# KiCad board klor1_3.kicad_pcb
title: Klor Split Keyboard; date: 2022-07-08; rev: v1.3.0; note: Author: GEIST
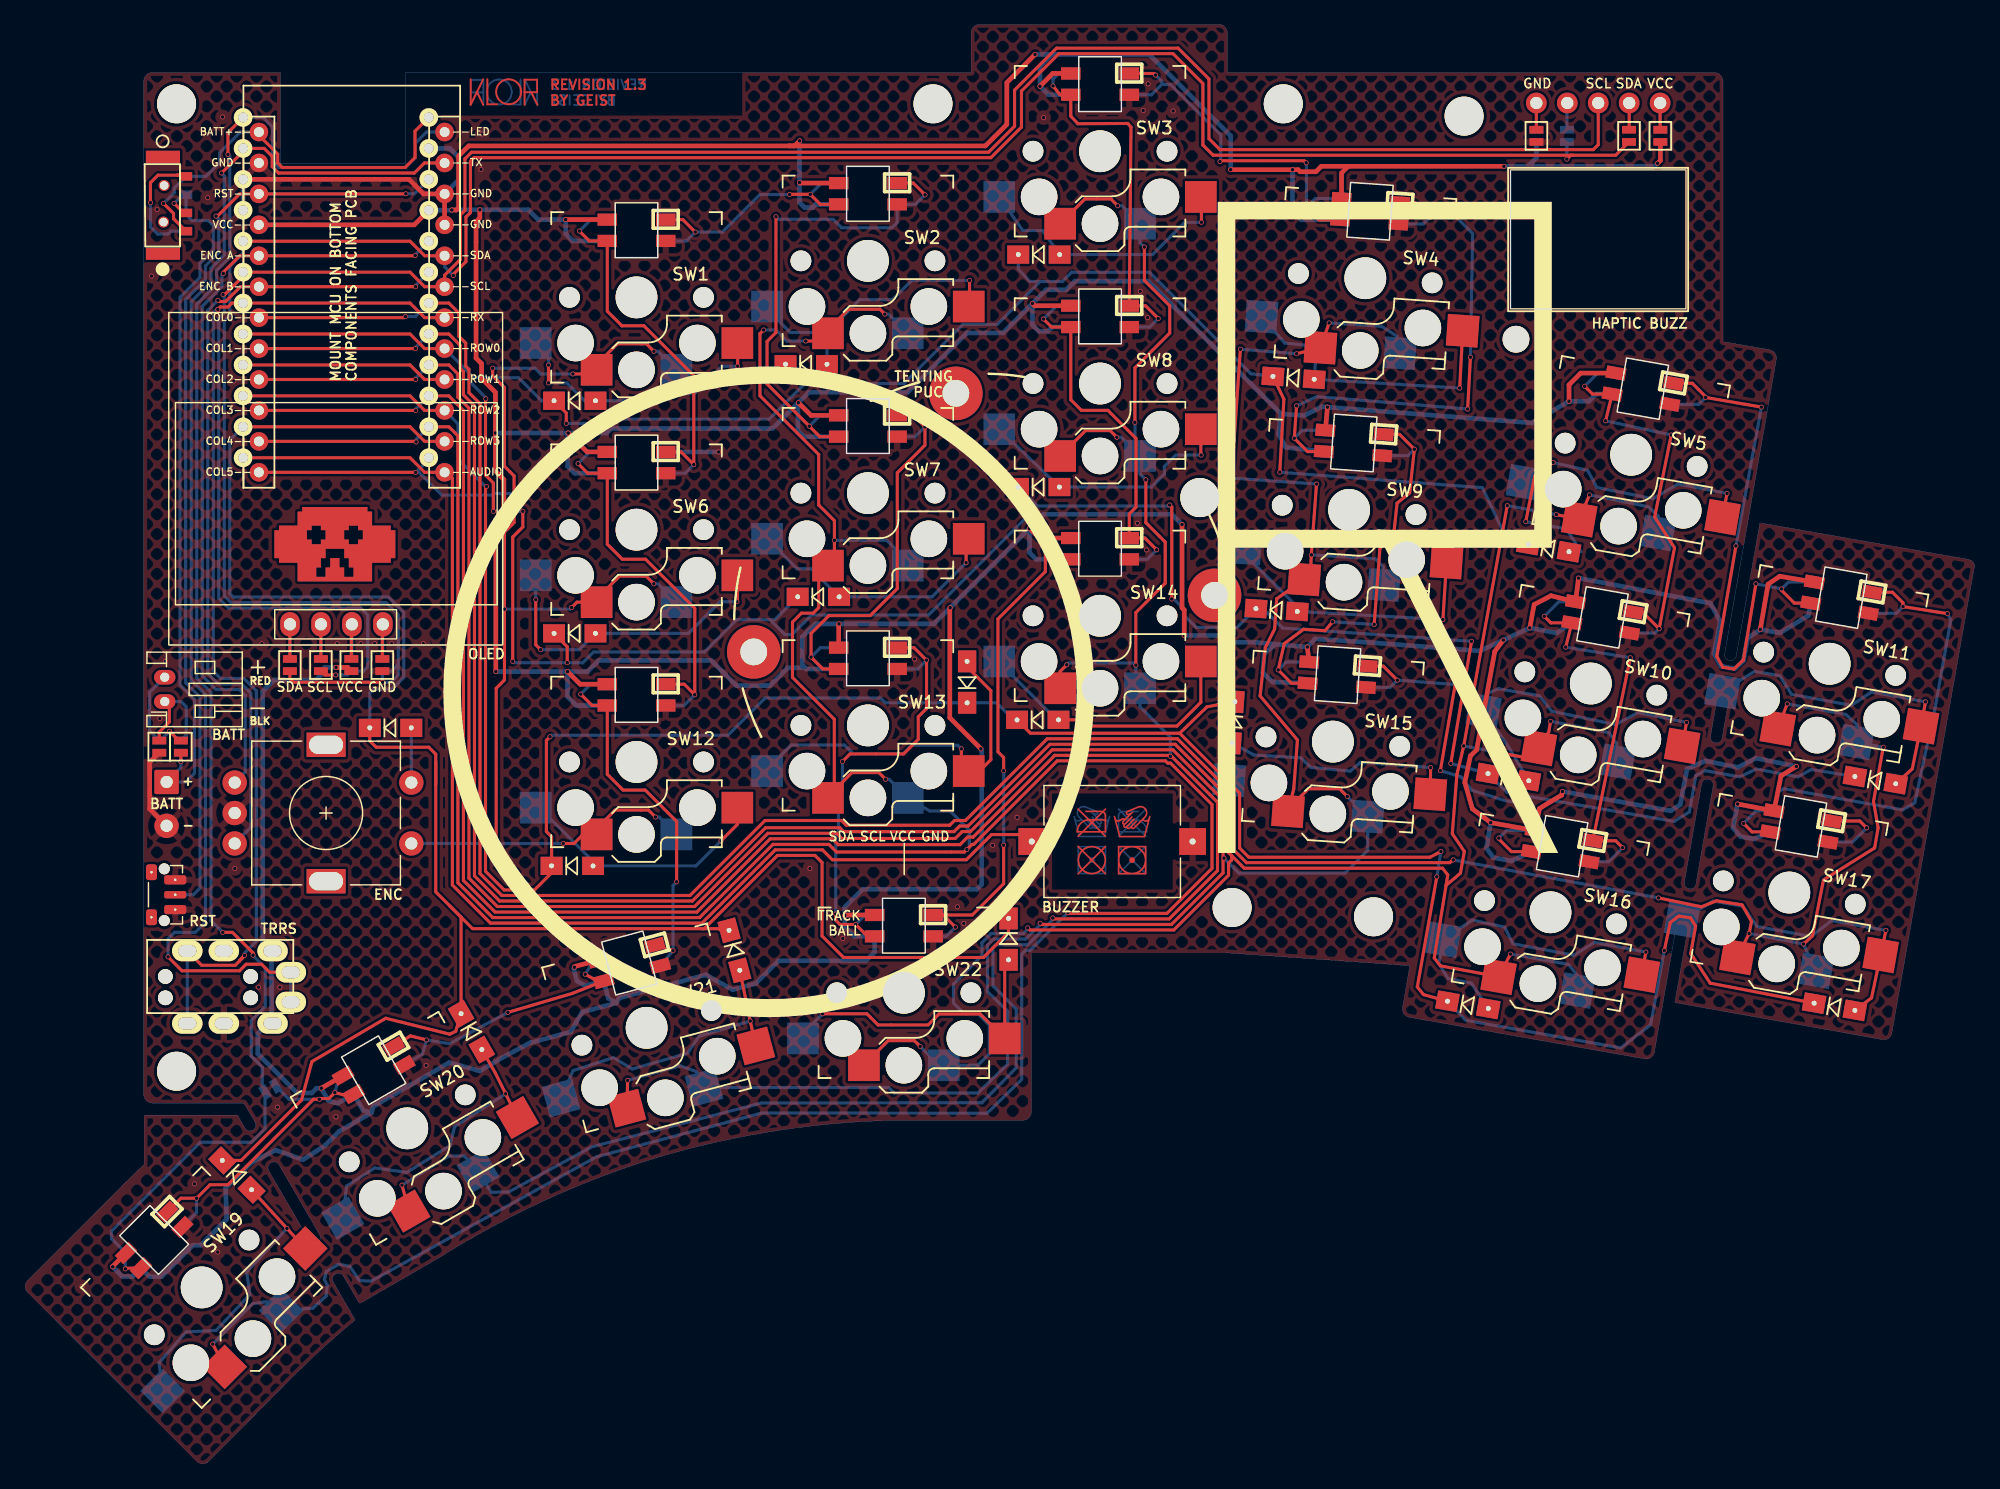
[diagram p0: board, top side]
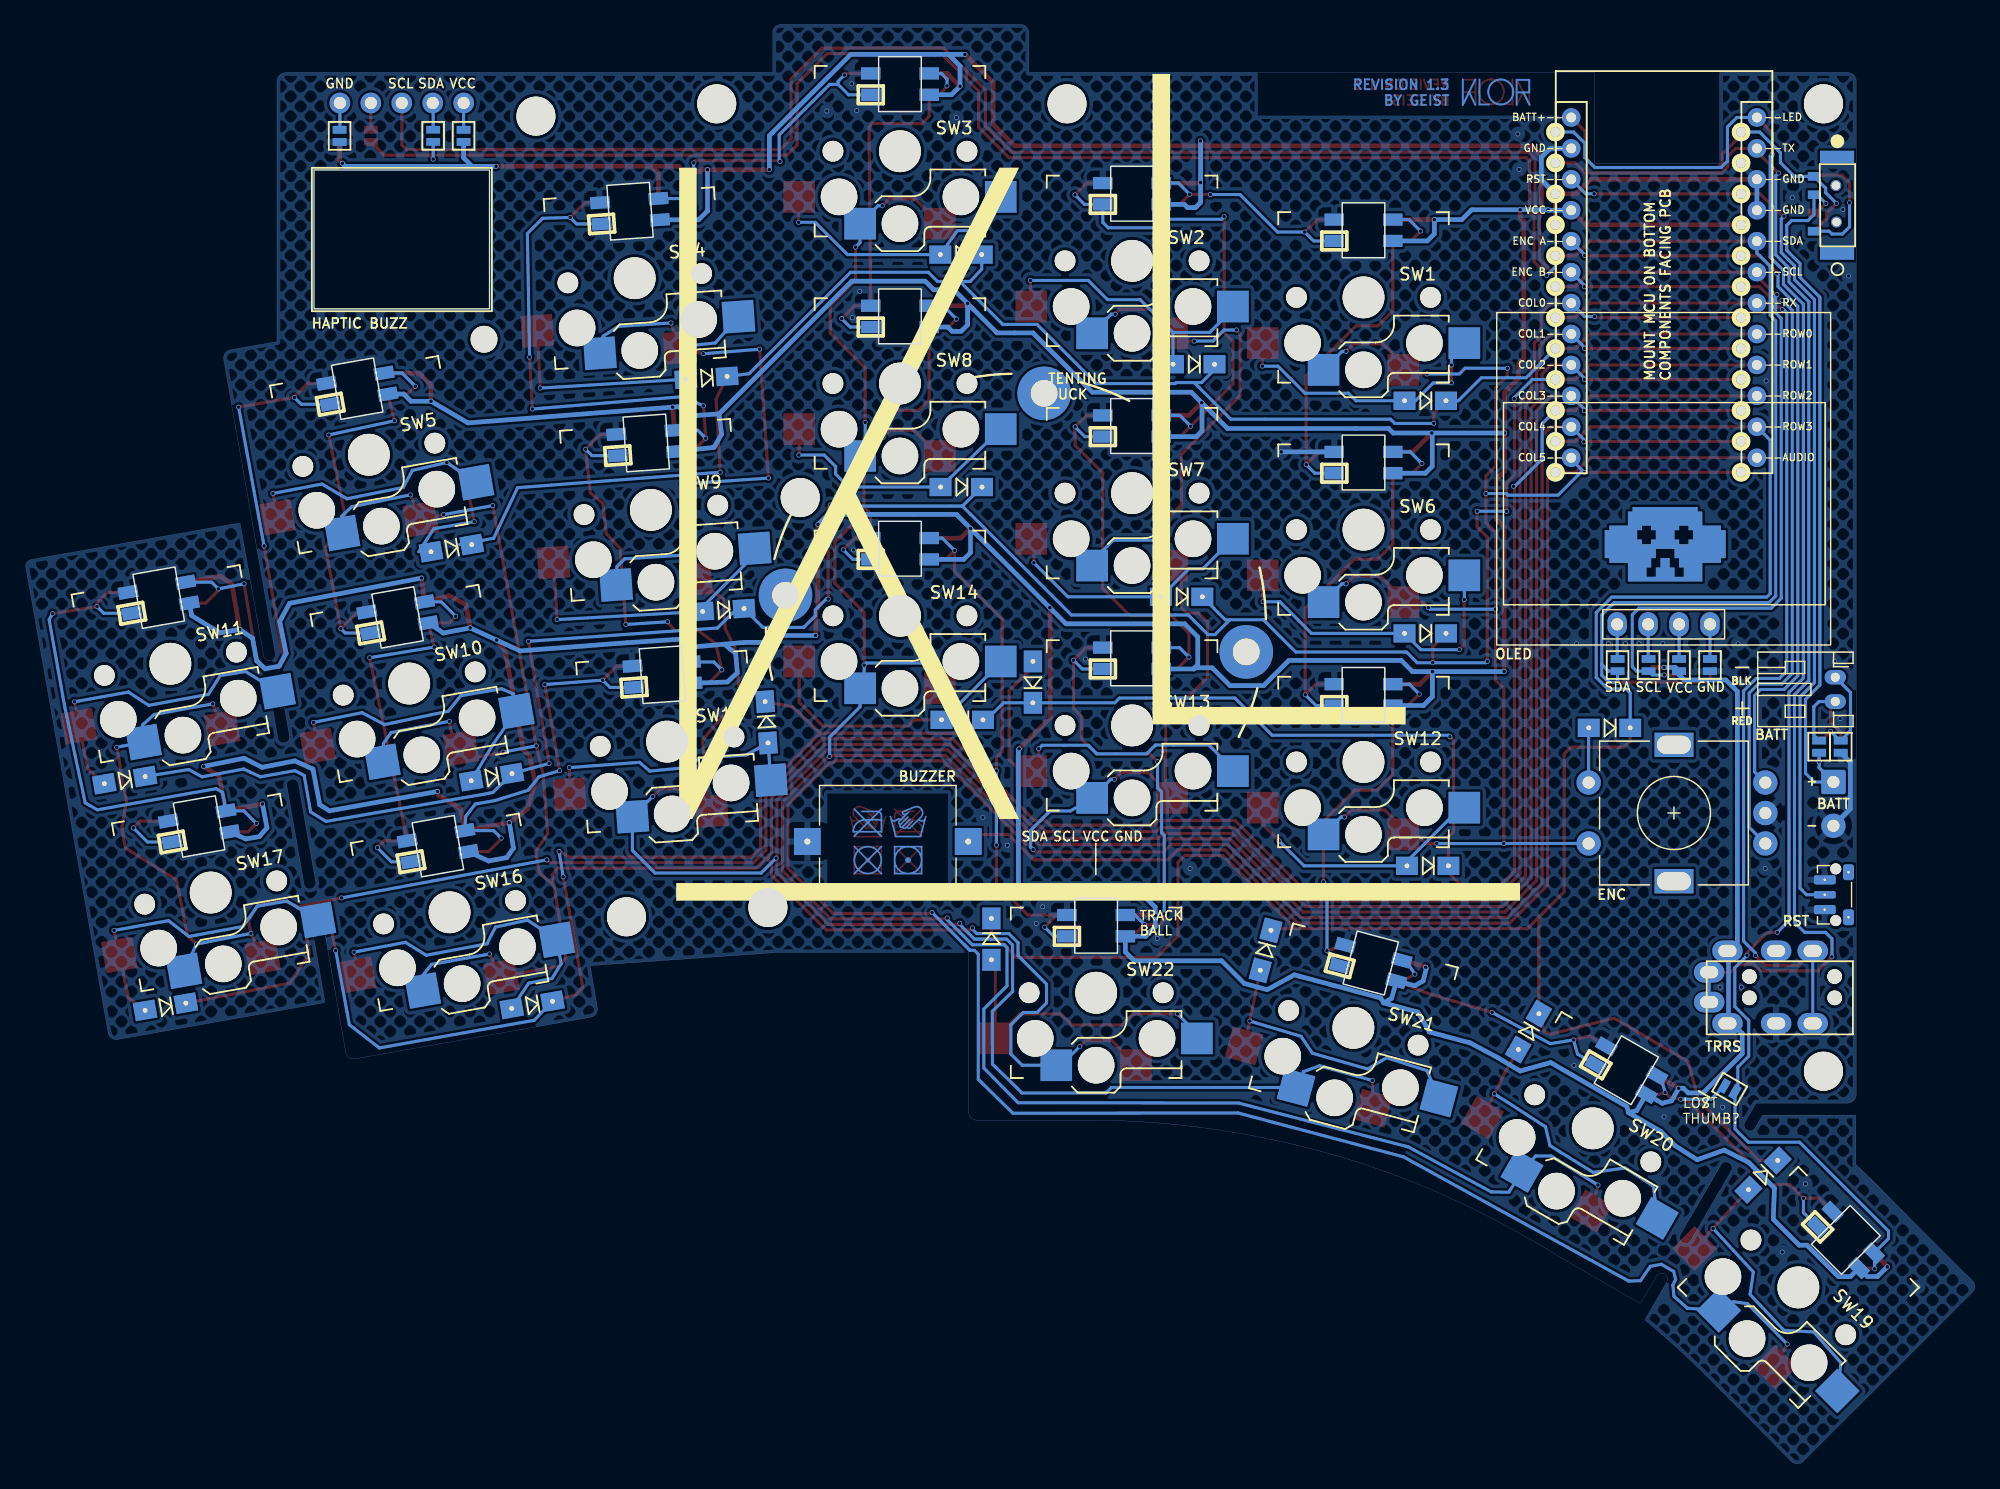
[diagram p1: board, bottom side, seen from below]

Outline 160.15 x 118.26 mm; copper layers: Top, Bottom. Coordinates in mm from the lower left corner of the outline.
Outline path: 121.97,106.3 136.37,106.3 136.37,94.9 121.97,94.9 closed ; 0.28,14.14 14.14,0.28 ; 7.16,22 0.28,15.13 ; 9.8,113.6 9.8,30.39 ; 9.84,24.65 9.84,28.7 17.49,28.7 18.09,27.64 ; 10.51,29.69 18.02,29.69 18.93,28.14 ; 10.54,114.31 21.01,114.31 21.01,106.83 31.27,106.83 31.27,114.31 77.71,114.31 77.71,117.59 ; 15.13,0.28 21.97,7.16 ; 20.91,24.61 24.22,18.9 ; 23.38,18.41 20.06,24.12 ; 27.15,11.88 25.35,14.98 ; 27.57,13.26 34.34,17.17 ; 72.14,28.28 81.94,28.28 ; 82.65,28.98 82.65,42.03 98.62,42.03 113.71,40.97 113.11,37.48 ; 98.05,118.26 78.38,118.26 ; 98.72,117.59 98.72,114.31 138.67,114.31 ; 113.64,36.74 133,33.32 ; 133.77,33.85 135.53,43.97 ; 152.49,34.91 135.46,37.94 136.49,43.79 ; 136.24,47.85 137.65,55.89 ; 138.39,59.83 138.88,62.69 ; 138.6,55.71 137.19,47.67 ; 139.41,113.57 139.41,92.2 143.26,91.53 ; 139.55,66.6 143.19,87.34 143.78,90.76 ; 139.84,62.51 139.34,59.66 ; 140.51,66.43 142.45,77.32 159.55,74.33 ; 153.27,35.47 160,73.55
Stack: Top 0.035mm / dielectric 1.51mm FR4 er 4.5 / Bottom 0.035mm

## Placement (name value [footprint] x y rotation side)
BT1  JST Connector  [JST_PH_reversible]  11.52 62.65 90 top
BT2  Battery_Cell  [custombatteryconnector_small]  11.67 54.25 270 top
BZ1  Buzzer  [Buzzer_Mallory_AST1109MLTRQ_reversible]  89.28 51.16 0 top
D1  D_Small  [Diode_SOD123]  45.17 87.35 0 top
D2  D_Small  [Diode_SOD123]  64.17 90.35 0 top
D3  D_Small  [Diode_SOD123]  83.27 99.35 0 top
D4  D_Small  [Diode_SOD123]  104.17 89.23 356 top
D5  D_Small  [Diode_SOD123]  125.1 75.25 350 top
D6  D_Small  [Diode_SOD123]  45.17 68.25 0 top
D7  D_Small  [Diode_SOD123]  65.17 71.26 0 top
D8  D_Small  [Diode_SOD123]  83.25 80.27 0 top
D9  D_Small  [Diode_SOD123]  102.78 70.17 356 top
D10  D_Small  [Diode_SOD123]  121.8 56.45 350 top
D11  D_Small  [Diode_SOD123]  151.91 56.2 350 top
D12  D_Small  [Diode_SOD123]  44.97 49.16 0 top
D13  D_Small  [Diode_SOD123]  77.37 64.25 90 top
D14  D_Small  [Diode_SOD123]  83.17 61.15 0 top
D15  D_Small  [Diode_SOD123]  99.23 60.95 266 top
D16  D_Small  [Diode_SOD123]  118.47 37.75 350 top
D17  D_Small  [Diode_SOD123]  148.56 37.59 350 top
D18  D_Small  [Diode_SOD123]  30.05 60.49 0 top
D19  D_Small  [Diode_SOD123]  17.44 23.78 315 top
D20  D_Small  [Diode_SOD123]  36.69 35.55 300 top
D21  D_Small  [Diode_SOD123]  58.27 42.23 285 top
D22  D_Small  [Diode_SOD123]  80.78 43.15 270 top
J1  -  [MJ-4PP-9]  10.07 40.08 90 top
J2  Haptic Buzz  [Pimoroni Haptic Buzz DRV2605L Driver]  129.17 101.4 0 bottom
JP1  Device_Jumper_NO_Small  [Jumper]  29.38 65.65 270 top
JP2  Device_Jumper_NO_Small  [Jumper]  26.83 65.65 270 top
JP3  Device_Jumper_NO_Small  [Jumper]  24.34 65.65 270 top
JP4  Device_Jumper_NO_Small  [Jumper]  21.79 65.65 270 top
JP5  Device_Jumper_NO_Small  [Jumper]  29.38 65.65 270 bottom
JP6  Device_Jumper_NO_Small  [Jumper]  26.84 65.65 270 bottom
JP7  Device_Jumper_NO_Small  [Jumper]  24.34 65.65 270 bottom
JP8  Device_Jumper_NO_Small  [Jumper]  21.8 65.65 270 bottom
JP12  VCC Jumper  [Jumper]  124.1 109.1 90 bottom
JP13  GND Jumper  [Jumper]  124.1 109.1 90 top
JP14  VCC Jumper  [Jumper]  134.27 109.1 90 top
JP15  GND Jumper  [Jumper]  134.27 109.1 90 bottom
JP22  Device_Jumper_NO_Small  [Jumper]  11.07 58.95 270 top
JP23  Device_Jumper_NO_Small  [Jumper]  12.85 58.95 270 bottom
JP24  Device_Jumper_NO_Small  [Jumper]  12.85 58.95 270 top
JP25  Device_Jumper_NO_Small  [Jumper]  11.07 58.95 270 bottom
JP26  Device_Jumper_NO_Small  [Jumper]  20.19 30.84 210 bottom
JP27  Device_Jumper_NO_Small  [Jumper]  126.6 109.1 90 bottom
JP28  Device_Jumper_NO_Small  [Jumper]  131.7 109.1 90 top
MH1  -  [MountingHole_3.2mm_M3]  12.49 111.73 0 top
MH2  -  [MountingHole_3.2mm_M3]  74.57 111.73 0 top
MH3  -  [MountingHole_3.2mm_M3]  103.32 111.73 0 top
MH4  -  [MountingHole_3.2mm_M3]  118.16 110.72 0 top
MH5  -  [MountingHole_3.2mm_M3]  96.47 79.4 0 top
MH6  -  [MountingHole_3.2mm_M3]  12.49 32.3 0 top
MH7  -  [MountingHole_3.2mm_M3]  99.12 45.74 0 top
MH8  -  [MountingHole_3.2mm_M3]  110.73 44.98 0 top
MH9  -  [MountingHole_2.2mm_M2]  122.42 92.4 0 top
OLED1  SSD1306  [SSD1306_128x64OLED]  25.8 79.6 180 top
PSW1  SW_DPDT_x2  [MSK12C02_reversible]  10.07 107.28 0 top
REF**  Tenting Puck  [SplitkbTentingPuckWithoutCenterHole]  78.77 69.05 277 top
RSW1  SW_Push  [SW_Push_1P1T-MP_NO_Horizontal_Alps_SKRTLAE010_both_sides]  11.48 46.79 270 top
SW1  SW_PUSH-MX_W_LED  [Kailh_socket_PG1350_reversible_with_sk6812_mini]  50.24 95.85 180 top
SW2  SW_PUSH-MX_W_LED  [Kailh_socket_PG1350_reversible_with_sk6812_mini]  69.23 98.85 180 top
SW3  SW_PUSH-MX_W_LED  [Kailh_socket_PG1350_reversible_with_sk6812_mini]  88.28 107.85 180 top
SW4  SW_PUSH-MX_W_LED  [Kailh_socket_PG1350_reversible_with_sk6812_mini]  110.05 97.43 176 top
SW5  SW_PUSH-MX_W_LED  [Kailh_socket_PG1350_reversible_with_sk6812_mini]  131.88 82.93 170 top
SW6  SW_PUSH-MX_W_LED  [Kailh_socket_PG1350_reversible_with_sk6812_mini]  50.24 76.78 180 top
SW7  SW_PUSH-MX_W_LED  [Kailh_socket_PG1350_reversible_with_sk6812_mini]  69.23 79.78 180 top
SW8  SW_PUSH-MX_W_LED  [Kailh_socket_PG1350_reversible_with_sk6812_mini]  88.28 88.78 180 top
SW9  SW_PUSH-MX_W_LED  [Kailh_socket_PG1350_reversible_with_sk6812_mini]  108.72 78.4 176 top
SW10  SW_PUSH-MX_W_LED  [Kailh_socket_PG1350_reversible_with_sk6812_mini]  128.56 64.15 170 top
SW11  SW_PUSH-MX_W_LED  [Kailh_socket_PG1350_reversible_with_sk6812_mini]  148.17 65.77 170 top
SW12  SW_PUSH-MX_W_LED  [Kailh_socket_PG1350_reversible_with_sk6812_mini]  50.24 57.71 180 top
SW13  SW_PUSH-MX_W_LED  [Kailh_socket_PG1350_reversible_with_sk6812_mini]  69.23 60.71 180 top
SW14  SW_PUSH-MX_W_LED  [Kailh_socket_PG1350_reversible_with_sk6812_mini]  88.28 69.71 180 top
SW15  SW_PUSH-MX_W_LED  [Kailh_socket_PG1350_reversible_with_sk6812_mini]  107.39 59.37 176 top
SW16  SW_PUSH-MX_W_LED  [Kailh_socket_PG1350_reversible_with_sk6812_mini]  125.25 45.36 170 top
SW17  SW_PUSH-MX_W_LED  [Kailh_socket_PG1350_reversible_with_sk6812_mini]  144.85 46.98 170 top
SW18  RotaryEncoder_Switch  [RotaryEncoder_Alps_EC11E-Switch_Vertical_H20mm-keebio_modified]  24.76 53.5 0 top
SW19  SW_PUSH-MX_W_LED  [Kailh_socket_PG1350_reversible_with_sk6812_mini]  14.54 14.56 225 top
SW20  SW_PUSH-MX_W_LED  [Kailh_socket_PG1350_reversible_with_sk6812_mini]  31.42 27.62 210 top
SW21  SW_PUSH-MX_W_LED  [Kailh_socket_PG1350_reversible_with_sk6812_mini]  51.07 35.87 195 top
SW22  SW_PUSH-MX_W_LED  [Kailh_socket_PG1350_reversible_with_sk6812_mini]  72.18 38.76 180 top
U1  -  [ProMicro]  26.77 95.84 0 top

## Library data of the parts
REF** = -: Field4: tenting; Field5: puck

## Footprints (pads in the part's own frame, mm; a bottom-side part is the same pattern mirrored in y, then rotated)
Buzzer_Mallory_AST1109MLTRQ_reversible
  rect 2.2x2.2 hole 0.5: 1(-6.6,0) 2(6.6,0)
custombatteryconnector_small
  rrect 2x2 hole 1: 1(-1.8,0)
  round 2 hole 1: 2(1.8,0)
Diode_SOD123
  rect 1.8x1.5 hole 0.4: 1(-1.7,0) 2(1.7,0)
JST_PH_reversible
  oval 1.2x1.75 hole 0.75: 1(0,0) 2(2,0)
Jumper
  rect 0.635x1.143 smd: 1(-0.5,0) 2(0.5,0)
Kailh_socket_PG1350_reversible_with_sk6812_mini
  round 1.702 hole 1.702 unplated: (-5.5,0.01) (5.5,0.01)
  round 3 hole 3 unplated: (-5,3.76) (0,5.96) (5,3.76)
  round 3.429 hole 3.429 unplated: (0,0.01)
  rect 1.6x1 smd far side: 1(-2.4,-4.625) 2(-2.4,-6.375) 3(2.4,-6.375) 4(2.4,-4.625)
  rect 1.6x1 smd: 1(-2.4,-6.375) 2(-2.4,-4.625) 3(2.4,-4.625) 4(2.4,-6.375)
  rect 2.6x2.6 smd far side: 5(-3.275,5.96) 6(8.275,3.76)
  rect 2.6x2.6 smd: 5(3.275,5.96) 6(-8.275,3.76)
MJ-4PP-9
  round 1.2 hole 1.2 unplated: (-1.75,-1.5) (-1.75,-8.5) (0,-1.5) (0,-8.5)
  oval 1.7x2.5 hole 1x1.5: 1(-3.85,-10.3) 1(2.1,-10.3) 2(-3.85,-6.3) 2(2.1,-6.3) 3(-3.85,-3.3) 3(2.1,-3.3) 4(-2.1,-11.8) 4(0.35,-11.8)
MountingHole_2.2mm_M2
  round 2.2 hole 2.2 unplated: (0,0)
MountingHole_3.2mm_M3
  round 3.2 hole 3.2 unplated: (0,0)
MSK12C02_reversible
  round 0.9 hole 0.7 unplated: (1.35,-5.25) (1.4,-2.25)
  rect 1x0.7 smd: 1(3.2,-1.5) 2(3.2,-4.5) 3(3.2,-6)
  rect 1x0.7 smd far side: 1(3.2,-6) 2(3.2,-3) 3(3.2,-1.5)
  rect 2.8x1 smd: NC(1.3,0.1) NC(1.3,-7.85)
  rect 2.8x1 smd far side: NC(1.3,0.1) NC(1.3,-7.85)
Pimoroni Haptic Buzz DRV2605L Driver
  round 1.7 hole 1: 1(-5.08,-10.4)
  oval 1.7x1.7 hole 1: 2(-2.54,-10.4) 3(0,-10.4) 4(2.54,-10.4) 5(5.08,-10.4)
ProMicro
  round 1.524 hole 0.813: 1(-8.82,14.77) 1(7.719,13.574) 2(-8.82,12.23) 2(7.719,11.034) 3(-8.82,9.69) 3(7.719,8.494) 4(-8.82,7.15) 4(7.719,5.954) 5(-8.82,4.61) 5(7.719,3.414) 6(-8.82,2.07) 6(7.719,0.874) 7(-8.82,-0.47) 7(7.719,-1.666) 8(-8.82,-3.01) 8(7.719,-4.206) 9(-8.82,-5.55) 9(7.719,-6.746) 10(-8.82,-8.09) 10(7.719,-9.286) 11(-8.82,-10.63) 11(7.719,-11.826) 12(-8.82,-13.17) 12(7.719,-14.366) 13(-7.521,-14.366) 13(6.42,-13.17) 14(-7.521,-11.826) 14(6.42,-10.63) 15(-7.521,-9.286) 15(6.42,-8.09) 16(-7.521,-6.746) 16(6.42,-5.55) 17(-7.521,-4.206) 17(6.42,-3.01) 18(-7.521,-1.666) 18(6.42,-0.47) 19(-7.521,0.874) 19(6.42,2.07) 20(-7.521,3.414) 20(6.42,4.61) 21(-7.521,5.954) 21(6.42,7.15) 22(-7.521,8.494) 22(6.42,9.69) 23(-7.521,11.034) 23(6.42,12.23) 24(-7.521,13.574) 24(6.42,14.77)
RotaryEncoder_Alps_EC11E-Switch_Vertical_H20mm-keebio_modified
  round 2 hole 1: A(-7.5,2.5) B(-7.5,-2.5) C(-7.5,0) S1(7,-2.5) S2(7,2.5)
  rect 3.2x2 hole 2.8x1.5: MP(0,5.6) MP(0,-5.6)
SplitkbTentingPuckWithoutCenterHole
  round 4.4 hole 2.2: 1(-19.05,0) 1(0,19.05) 1(0,-19.05)
SSD1306_128x64OLED
  oval 1.6x2 hole 1: 1(-3.62,10.6) 2(-1.08,10.6) 3(1.46,10.6) 4(4,10.6)
SW_Push_1P1T-MP_NO_Horizontal_Alps_SKRTLAE010_both_sides
  round 0.9 hole 0.9 unplated: (-2.125,0) (2.125,0)
  rrect 0.75x1.8 hole 0.2: 1(-1.225,0.9) 1(1.225,0.9)
  rrect 0.6x1.8 hole 0.2: 2(0,0.9)
  rrect 1.3x0.9 hole 0.2: MP(-1.85,-1.05) MP(1.85,-1.05)

## Nets
GND: BT2.2 BZ1.2 J1.2 JP1.2 JP8.2 JP13.1 JP15.1 JP22.2 JP25.2 RSW1.1 SW1.2 SW2.2 SW3.2 SW4.2 SW5.2 SW6.2 SW7.2 SW8.2 SW9.2 SW10.2 SW11.2 SW12.2 SW13.2 SW14.2 SW15.2 SW16.2 SW17.2 SW18.C SW19.2 SW20.2 SW21.2 SW22.2 U1.3 U1.4 U1.23
VCC: J1.1 JP2.2 JP7.2 JP12.1 JP14.1 SW1.4 SW2.4 SW3.4 SW4.4 SW5.4 SW6.4 SW7.4 SW8.4 SW9.4 SW10.4 SW11.4 SW12.4 SW13.4 SW14.4 SW15.4 SW16.4 SW17.4 SW19.4 SW20.4 SW21.4 SW22.4 U1.21
+BATT: PSW1.3 U1.24
/PAD1: BT1.1 JP22.1 JP23.1
/PAD2: BT1.2 JP24.1 JP25.1
/PSW: BT2.1 JP23.2 JP24.2 PSW1.2
AUDIO: BZ1.1 U1.12
col0: SW11.5 SW17.5 U1.18
col1: SW5.5 SW10.5 SW16.5 SW22.5 U1.17
col2: SW4.5 SW9.5 SW15.5 SW21.5 U1.16
col3: SW3.5 SW8.5 SW14.5 SW20.5 U1.15
col4: SW2.5 SW7.5 SW13.5 SW19.5 U1.14
ENCA: SW18.A U1.20
ENCB: SW18.B U1.19
LED: JP26.2 SW19.3 U1.1
RESET: RSW1.2 U1.22
row0: D1.1 D2.1 D3.1 D4.1 D5.1 U1.8
row1: D6.1 D7.1 D8.1 D9.1 D10.1 D11.1 U1.9
row2: D12.1 D13.1 D14.1 D15.1 D16.1 D17.1 U1.10
row3: D18.1 D19.1 D20.1 D21.1 D22.1 U1.11
RX: J1.3 U1.7
SCL: J2.3 JP3.2 JP6.2 U1.6
SDA: JP4.2 JP5.2 JP27.1 JP28.1 U1.5
SW18A: SW1.5 SW6.5 SW12.5 SW18.S1 U1.13
SW18B: D18.2 SW18.S2
TX: J1.4 U1.2
Net-(D1-Pad2): D1.2 SW1.6
Net-(D2-Pad2): D2.2 SW2.6
Net-(D3-Pad2): D3.2 SW3.6
Net-(D4-Pad2): D4.2 SW4.6
Net-(D5-Pad2): D5.2 SW5.6
Net-(D6-Pad2): D6.2 SW6.6
Net-(D7-Pad2): D7.2 SW7.6
Net-(D8-Pad2): D8.2 SW8.6
Net-(D9-Pad2): D9.2 SW9.6
Net-(D10-Pad2): D10.2 SW10.6
Net-(D11-Pad2): D11.2 SW11.6
Net-(D12-Pad2): D12.2 SW12.6
Net-(D13-Pad2): D13.2 SW13.6
Net-(D14-Pad2): D14.2 SW14.6
Net-(D15-Pad2): D15.2 SW15.6
Net-(D16-Pad2): D16.2 SW16.6
Net-(D17-Pad2): D17.2 SW17.6
Net-(D19-Pad2): D19.2 SW19.6
Net-(D20-Pad2): D20.2 SW20.6
Net-(D21-Pad2): D21.2 SW21.6
Net-(D22-Pad2): D22.2 SW22.6
Net-(J2-Pad1): J2.1 JP12.2 JP13.2
Net-(J2-Pad2): J2.2 JP27.2
Net-(J2-Pad4): J2.4 JP28.2
Net-(J2-Pad5): J2.5 JP14.2 JP15.2
Net-(JP1-Pad1): JP1.1 JP5.1 OLED1.1
Net-(JP2-Pad1): JP2.1 JP6.1 OLED1.2
Net-(JP3-Pad1): JP3.1 JP7.1 OLED1.3
Net-(JP4-Pad1): JP4.1 JP8.1 OLED1.4
Net-(JP26-Pad1): JP26.1 SW19.1 SW20.3
Net-(SW1-Pad1): SW1.1 SW2.3
Net-(SW1-Pad3): SW1.3 SW6.1
Net-(SW2-Pad1): SW2.1 SW7.3
Net-(SW3-Pad1): SW3.1 SW4.3
Net-(SW3-Pad3): SW3.3 SW8.1
Net-(SW4-Pad1): SW4.1 SW9.3
Net-(SW10-Pad1): SW5.3 SW10.1
Net-(SW10-Pad3): SW10.3 SW16.1
Net-(SW11-Pad1): SW11.1 SW17.3
Net-(SW11-Pad3): SW5.1 SW11.3
Net-(SW12-Pad1): SW6.3 SW12.1
Net-(SW12-Pad3): SW12.3 SW21.1
Net-(SW13-Pad1): SW13.1 SW22.3
Net-(SW13-Pad3): SW7.1 SW13.3
Net-(SW14-Pad1): SW8.3 SW14.1
Net-(SW14-Pad3): SW14.3 SW22.1
Net-(SW15-Pad1): SW15.1 SW16.3
Net-(SW15-Pad3): SW9.1 SW15.3
Net-(SW20-Pad1): SW20.1 SW21.3

Pads without a net: PSW1 1 NC; REF** 1; RSW1 MP; SW17 1; SW18 MP

## Via types
v1: diameter 0.4, hole 0.3, Top to Bottom, 271 vias

## Routing (per net, layer and track width the routed paths; a pad name or vN(x,y) marks a point on that pad's centre or on a via; arc(x,y) is an arc through that point)
GND: length 46.5
  Top w0.381: JP22.2 10.28,57.66 10.28,53.84 BT2.2 ; U1.3 31.57,105.53 32.04,105.06 32.04,105.06 32.76,104.34 U1.3 U1.4
  Bottom w0.381: U1.4 U1.3 ; JP22.2 10.28,57.66 10.28,53.84 BT2.2 ; U1.23 34.92,108.07 35.64,107.35 35.64,105.49 U1.3 ; SW6.2 v1(56.99,83.15)
  vias: v1(4.72,14.6) v1(10.43,97.59) v1(10.9,103.05) v1(11.12,61.25) v1(11.57,65.95) v1(13.97,23.05) v1(15.05,104.02) v1(15.87,17.45) v1(16.27,110.65) v1(17.2,88.98) v1(17.27,48.95) v1(19.22,39.2) v1(19.5,67.4) v1(20.77,29.35) v1(20.97,39.2) v1(25.57,28.55) v1(25.67,67.4) v1(27.62,67.4) v1(28.75,67.4) v1(30.15,67.4) v1(32.75,67.4) v1(32.97,32.78) v1(37.47,106.35) v1(37.57,109.25) v1(64.47,48.95) v1(67.17,43.2) v1(73.06,66.14) v1(76.57,45.8) v1(77.1,44.43) v1(79.47,50.85) v1(81.47,53.15) v1(83.65,110.6) v1(91.34,77.3) v1(91.58,96.34) v1(91.82,111.18) v1(92.09,75.1) v1(92.23,113.37) v1(92.19,94.17) v1(94.28,111.14)
VCC: length 799.7
  Top w0.381: v1(99,106.32) v1(104.08,106.32) 104.54,106.32 104.71,106.15 105.99,106.15 106.44,106.6 108.65,106.6 ; v1(140.6,54.24) SW17.4 144.17,56.55 v1(145.43,57.33) ; SW13.4 66.83,69 v1(66.86,69.03) ; SW9.4 v1(106.95,86.83) ; v1(127.55,72.79) SW10.4 125.29,71.34 123.91,70.62 v1(123.55,68.7) ; SW19.4 7.25,16.28 v1(7.25,16.24) ; v1(75.98,70.36) 75.95,70.33 75.95,61.32 v1(78.5,58.77) ; v1(63.63,108.69) 63.22,108.28 62.78,108.28 ; SW22.4 67.37,45.13 v1(67.33,45.09) ; SW15.4 v1(105.29,67.13) ; 26.15,31.94 v1(24.37,30.91) ; SW7.4 64.56,86.15 v1(63.52,87.19) ; v1(37.38,103.03) 37.38,102.37 37.07,102.06 37.07,90.85 37.52,90.4 37.52,89.18 38.66,88.04 v1(38.66,84.7) 38.66,81.57 39.35,80.88 39.35,77.62 38.69,76.96 v1(38.69,65.11) ; SW14.4 83.29,76.08 v1(82.49,76.87) ; v1(142.47,68.57) 143.11,72.29 144.07,72.94 SW11.4 ; 108.65,106.6 108.1,106.06 SW4.4 ; 108.65,106.6 v1(121.43,106.6) ; v1(82.95,115.79) 80.63,113.47 80.63,110.04 78.87,108.28 62.78,108.28 ; U1.21 32,101.8 U1.21 ; 26.83,65.16 26.54,65.45 25.59,65.45 v1(25.58,65.47) ; v1(35.08,103.02) 35.45,103.02 35.64,103.21 35.64,107.46 36.46,108.28 62.78,108.28 ; v1(95.01,77.19) 95.01,70.35 95.19,70.17 v1(95.19,68.08) ; v1(83.35,113.17) 84.4,114.23 SW3.4 ; SW8.4 82.92,95.15 v1(82.73,95.34) ; v1(126.77,87.31) 126.77,88.66 127.73,89.62 SW5.4 ; SW6.4 46.18,83.15 v1(44.63,84.7) ; JP14.1 134.27,107.08 v1(134.05,106.85) ; SW21.4 45.17,40.91 ; SW2.4 63.66,105.23 v1(63.61,105.27) ; v1(121.38,67.7) 120.68,66.77 119.19,58.69 118.68,58.19 118.22,56.01 118.84,53.84 v1(120.34,52.71) SW16.4 124.35,53.87 125.28,54.45 126.17,54.97 v1(126.23,55.27) ; v1(44.58,65.11) 45.62,64.08 SW12.4 ; SW1.4 v1(44.42,102.23)
  Bottom w0.381: v1(95.19,68.08) 98.32,68.08 98.89,67.51 101.04,67.51 102.69,67.37 ; v1(44.58,65.11) 44.58,63.05 45.31,62.33 SW12.4 ; v1(44.58,65.11) 46.22,65.11 47.14,66.03 56.36,66.03 58.43,63.96 61.19,63.96 62.65,65.42 64.08,65.42 64.18,65.33 ; v1(44.58,65.11) v1(38.69,65.11) ; SW16.4 122.04,49.56 120.55,49.84 120,50.62 v1(120.34,52.71) ; 103.13,86.27 102.92,84.6 103.54,83.52 SW9.4 ; 103.13,86.27 105.03,86.14 106.49,86.86 v1(106.95,86.83) 123.73,85.53 v1(126.77,87.31) 128.41,87.31 129,87.9 SW5.4 ; 103.13,86.27 92.23,97.17 86.22,97.17 85.51,96.46 83.85,96.46 v1(82.73,95.34) ; SW17.4 141.97,51.37 140.86,51.56 140.23,52.28 v1(140.6,54.24) ; 122.45,106.6 123.4,106.6 124.1,107.3 JP12.1 ; 122.45,106.6 v1(121.43,106.6) ; 122.45,106.6 133.8,106.6 v1(134.05,106.85) ; 48.59,37.91 45.77,37.16 44.83,35.53 41.54,34.64 41.55,34.66 39.24,33.43 37.38,32.32 35.38,32.88 34.88,33.01 28.62,29.4 28.49,28.9 ; 48.59,37.91 48.82,38.32 55.93,40.22 56.33,39.99 58.14,38.99 60.03,39.51 61.88,41.37 69.06,41.37 69.78,42.09 SW22.4 68.12,43.38 67.33,44.16 v1(67.33,45.09) 67.33,45.77 68.8,47.24 78.17,47.24 78.57,47.64 78.57,58.71 v1(78.5,58.77) ; 48.59,37.91 47.92,38.29 47.54,39.73 ; 45.08,40.74 45.35,39.71 46.03,39.32 SW21.4 ; SW1.4 45,100.48 44.42,101.05 v1(44.42,102.23) 42.17,102.23 41.36,103.03 v1(37.38,103.03) 35.1,103.03 v1(35.08,103.02) 35.06,102.99 U1.21 ; 28.49,28.9 27.8,29.08 27.03,30.42 25.72,29.67 24.96,29.87 24.37,30.9 ; 28.49,28.9 25.85,27.37 24.66,26.19 22.85,25.03 20.63,25.82 18.61,24.8 16.51,22.7 16.61,20.15 14.48,18.02 13.85,18.02 11.26,15.43 10.28,15.43 SW19.4 8.89,15.45 8.05,15.45 v1(7.25,16.24) ; SW8.4 84.35,93.4 84,93.05 83.26,93.05 82.73,93.58 v1(82.73,95.34) ; v1(38.66,84.7) v1(44.63,84.7) ; v1(44.63,84.7) 44.59,84.66 44.59,81.97 45.16,81.4 SW6.4 ; v1(44.63,84.7) 47.8,84.7 48.17,85.07 61.4,85.07 v1(63.52,87.19) ; 102.69,67.37 v1(105.29,67.13) 105.93,67.8 110.71,67.48 119.45,66.81 v1(121.38,67.7) v1(123.55,68.7) 125.76,68.28 SW10.4 ; 102.69,67.37 101.76,66.59 101.63,65.02 102.44,64.26 SW15.4 ; SW3.4 84.05,112.48 v1(83.35,113.17) 83.35,114.83 84.31,115.79 ; v1(63.52,87.19) 63.49,87.16 63.49,84.88 63.97,84.4 SW7.4 ; v1(63.52,87.19) 64.38,88.05 72.49,88.05 77.36,92.92 80.31,92.92 v1(82.73,95.34) ; 45.13,40.76 v1(45.14,40.84) ; 64.18,65.33 63.84,65.66 63.84,67.96 64.91,69.03 v1(66.86,69.03) 74.65,69.03 v1(75.98,70.36) v1(82.49,76.87) ; 64.18,65.33 SW13.4 ; v1(24.37,30.91) 23.99,30.91 23.6,30.52 22.38,30.52 19.16,33.74 19.16,35.4 19.98,36.23 ; v1(63.63,108.69) 63.61,108.67 v1(63.61,105.27) 63.61,103.63 64.03,103.21 64.68,103.21 64.94,103.48 SW2.4 ; v1(82.49,76.87) 82.49,74.88 83.05,74.33 SW14.4 ; v1(82.49,76.87) 83.64,78.02 94.18,78.02 v1(95.01,77.19) ; 24.34,65.15 24.64,65.45 25.56,65.45 v1(25.58,65.47) ; 84.31,115.79 92.32,115.79 99,109.11 v1(99,106.32) ; 84.31,115.79 v1(82.95,115.79) ; v1(145.43,57.33) 142.11,58 140.63,57.25 137.95,57.78 136.46,57.11 135.9,54.18 135.1,53.68 v1(126.23,55.27) ; 20.28,36.32 20.28,42.09 ; 20.24,42.18 19.56,42.86 19.56,63.49 20.5,64.43 23.92,64.43 24.34,64.84 JP7.2 ; v1(127.55,72.79) 138.37,70.72 139.19,69.23 138.66,66.61 139.22,65.56 140.38,65.34 141.08,66 141.42,67.85 v1(142.47,68.57) 144.09,68.29 146.41,69.71 SW11.4 ; v1(104.08,106.32) 104.08,102.93 104.81,102.21 SW4.4